# Altium PCB S7CAS-PLEIADES-CARTE-MERE_P07 - BACKUP.PcbDoc (part 1 of 3) (continued)
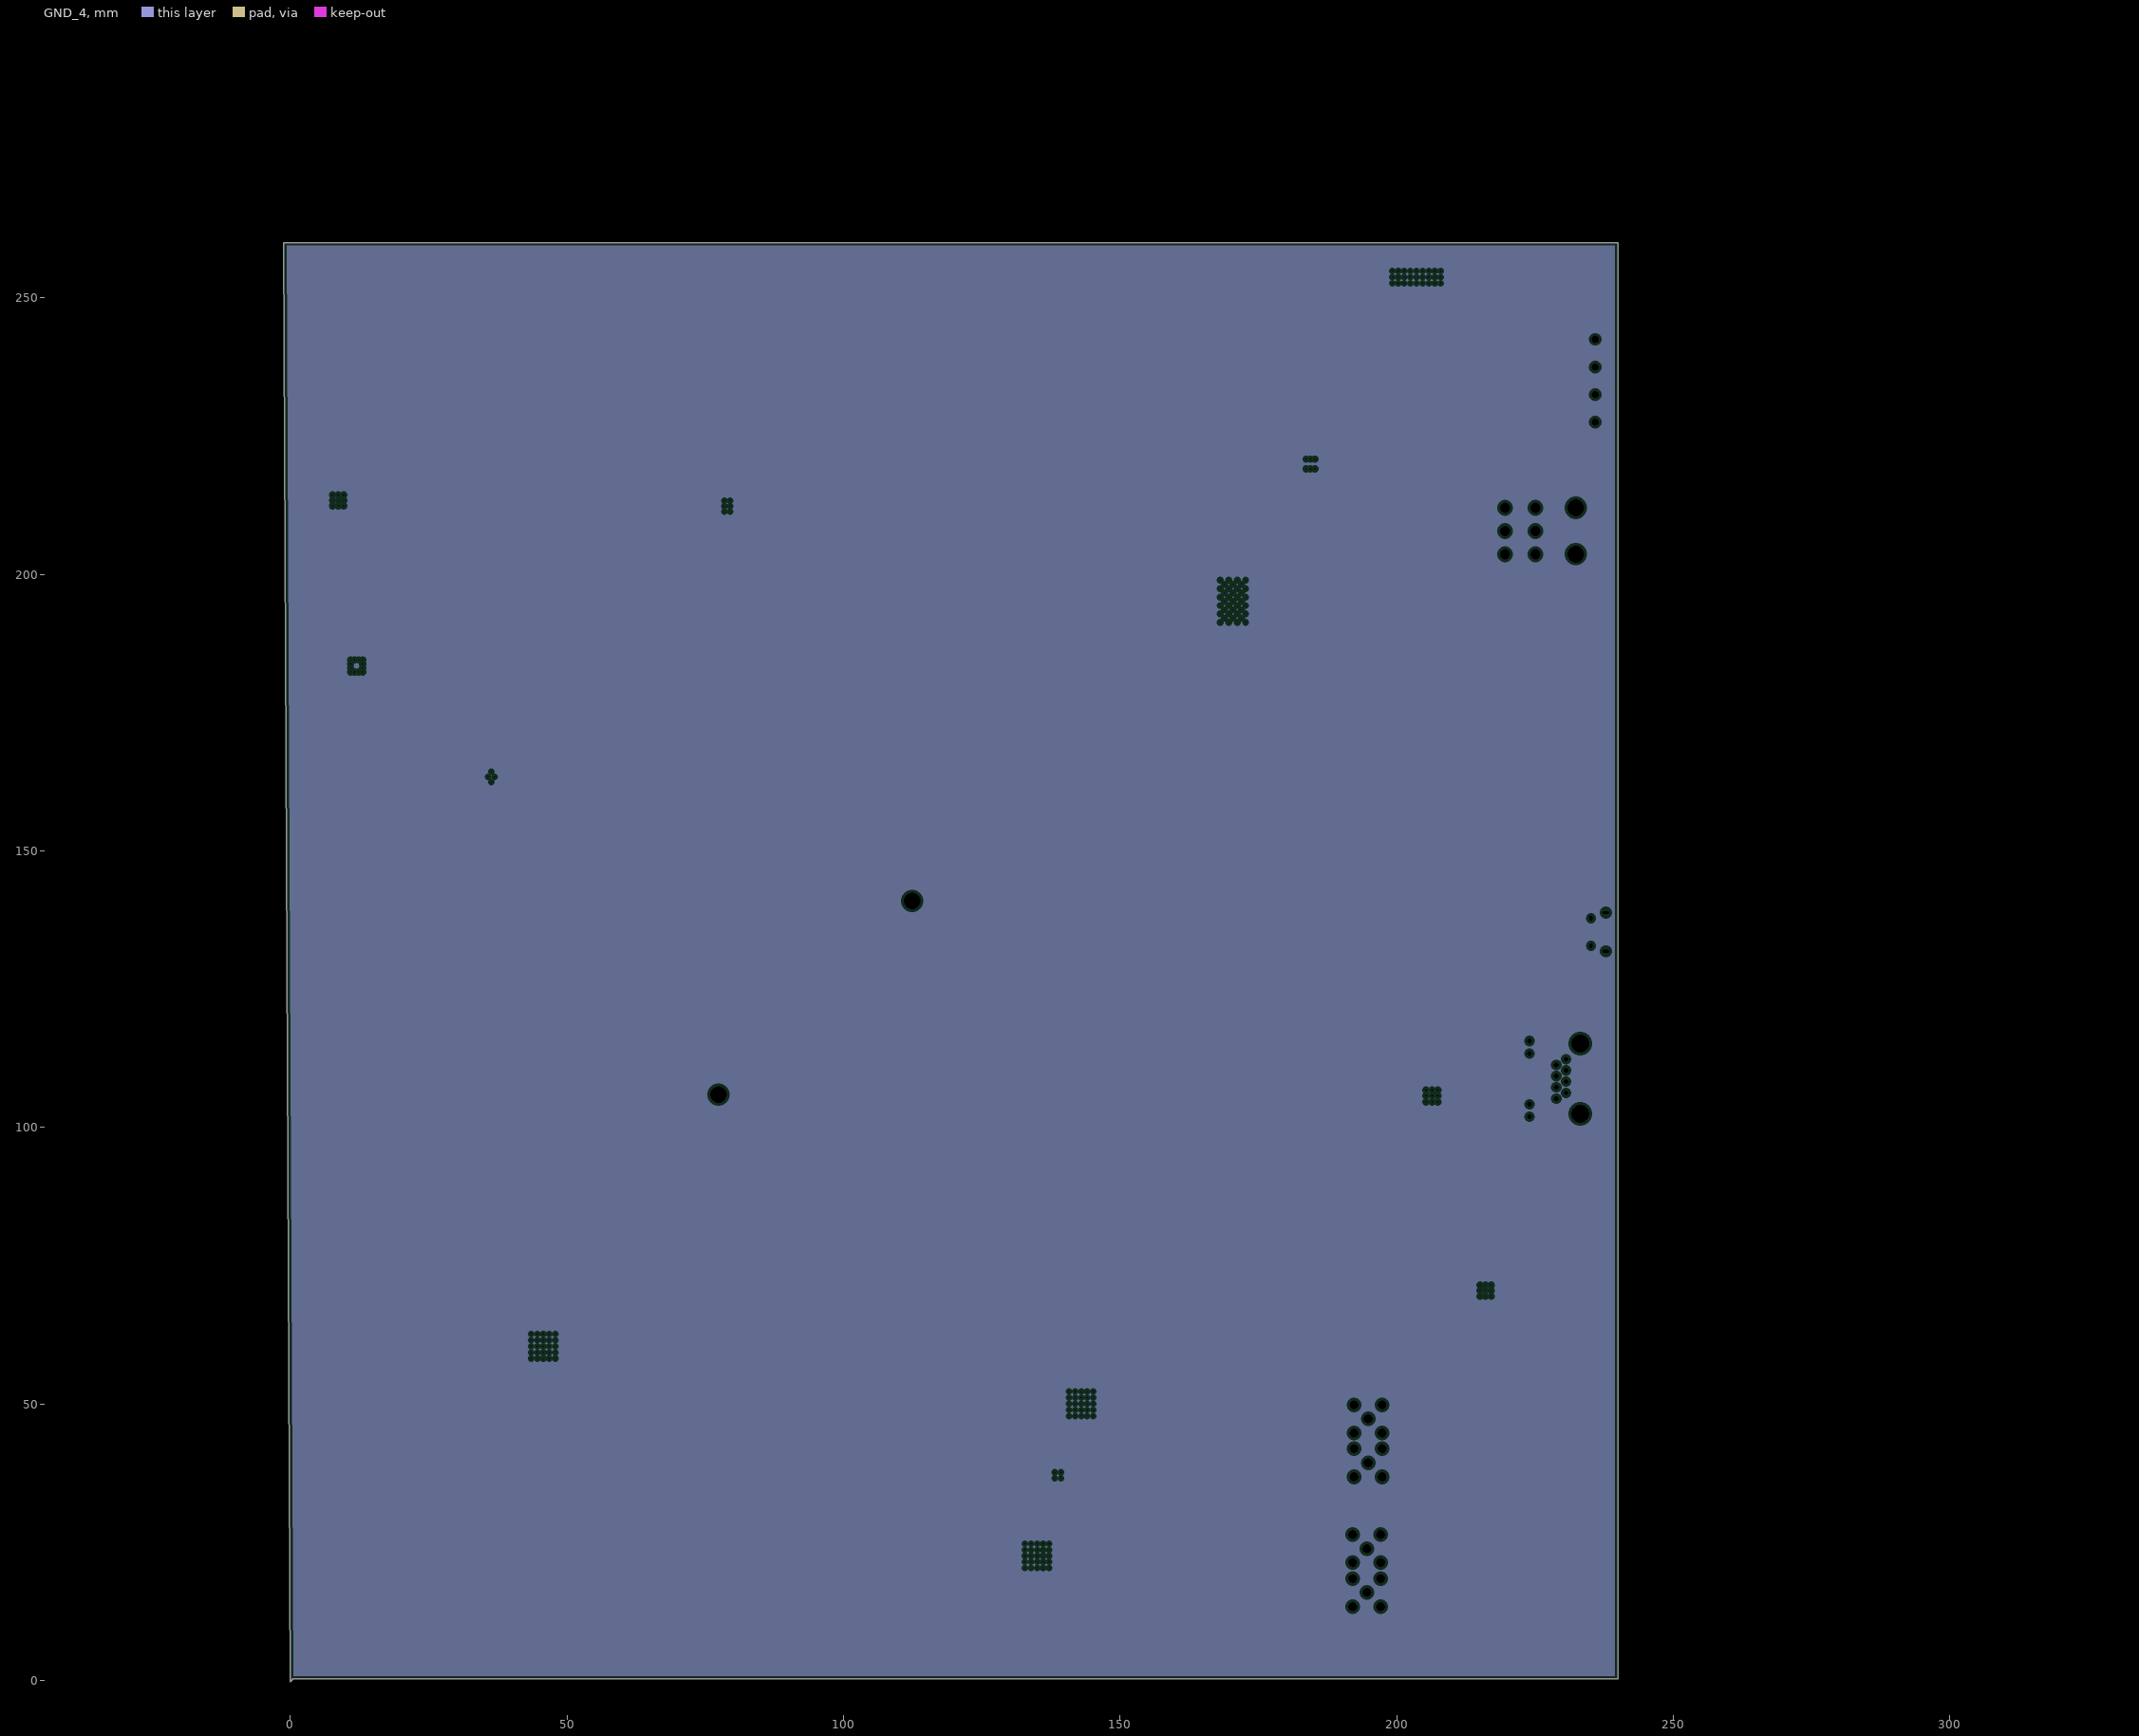
[diagram p8: GND_4, clearances drawn from the general rule]
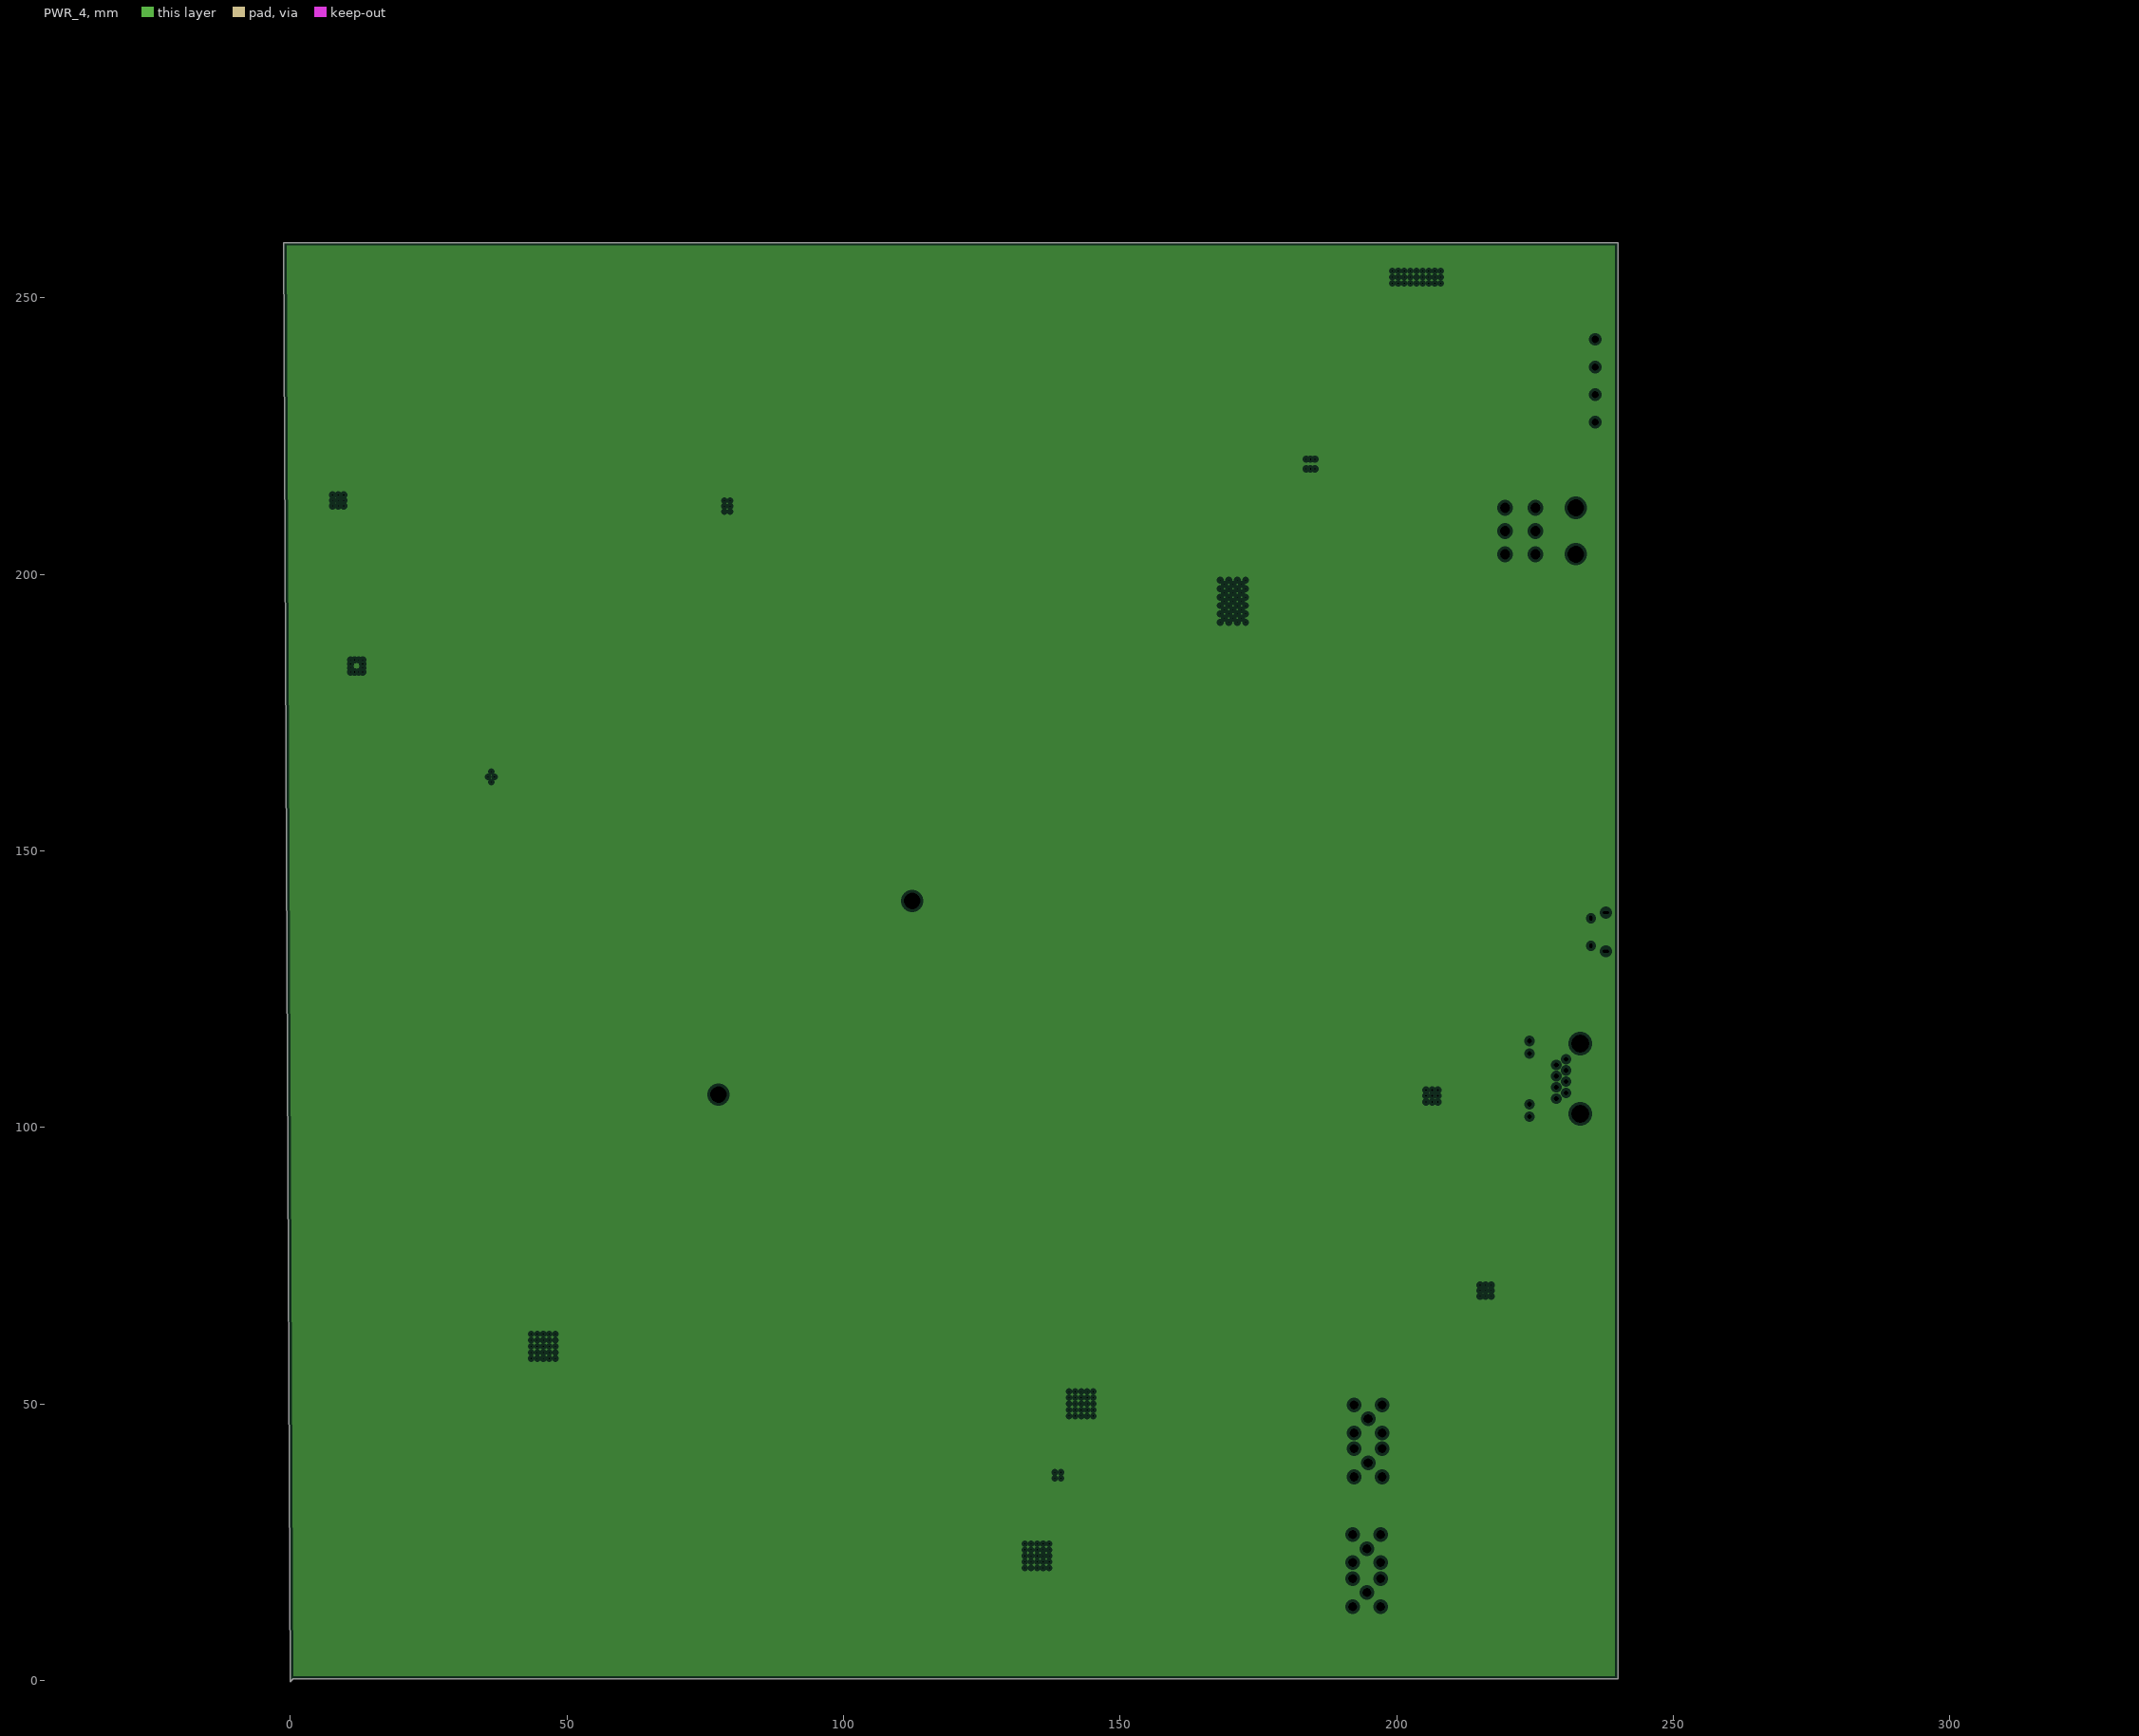
[diagram p9: PWR_4, clearances drawn from the general rule]
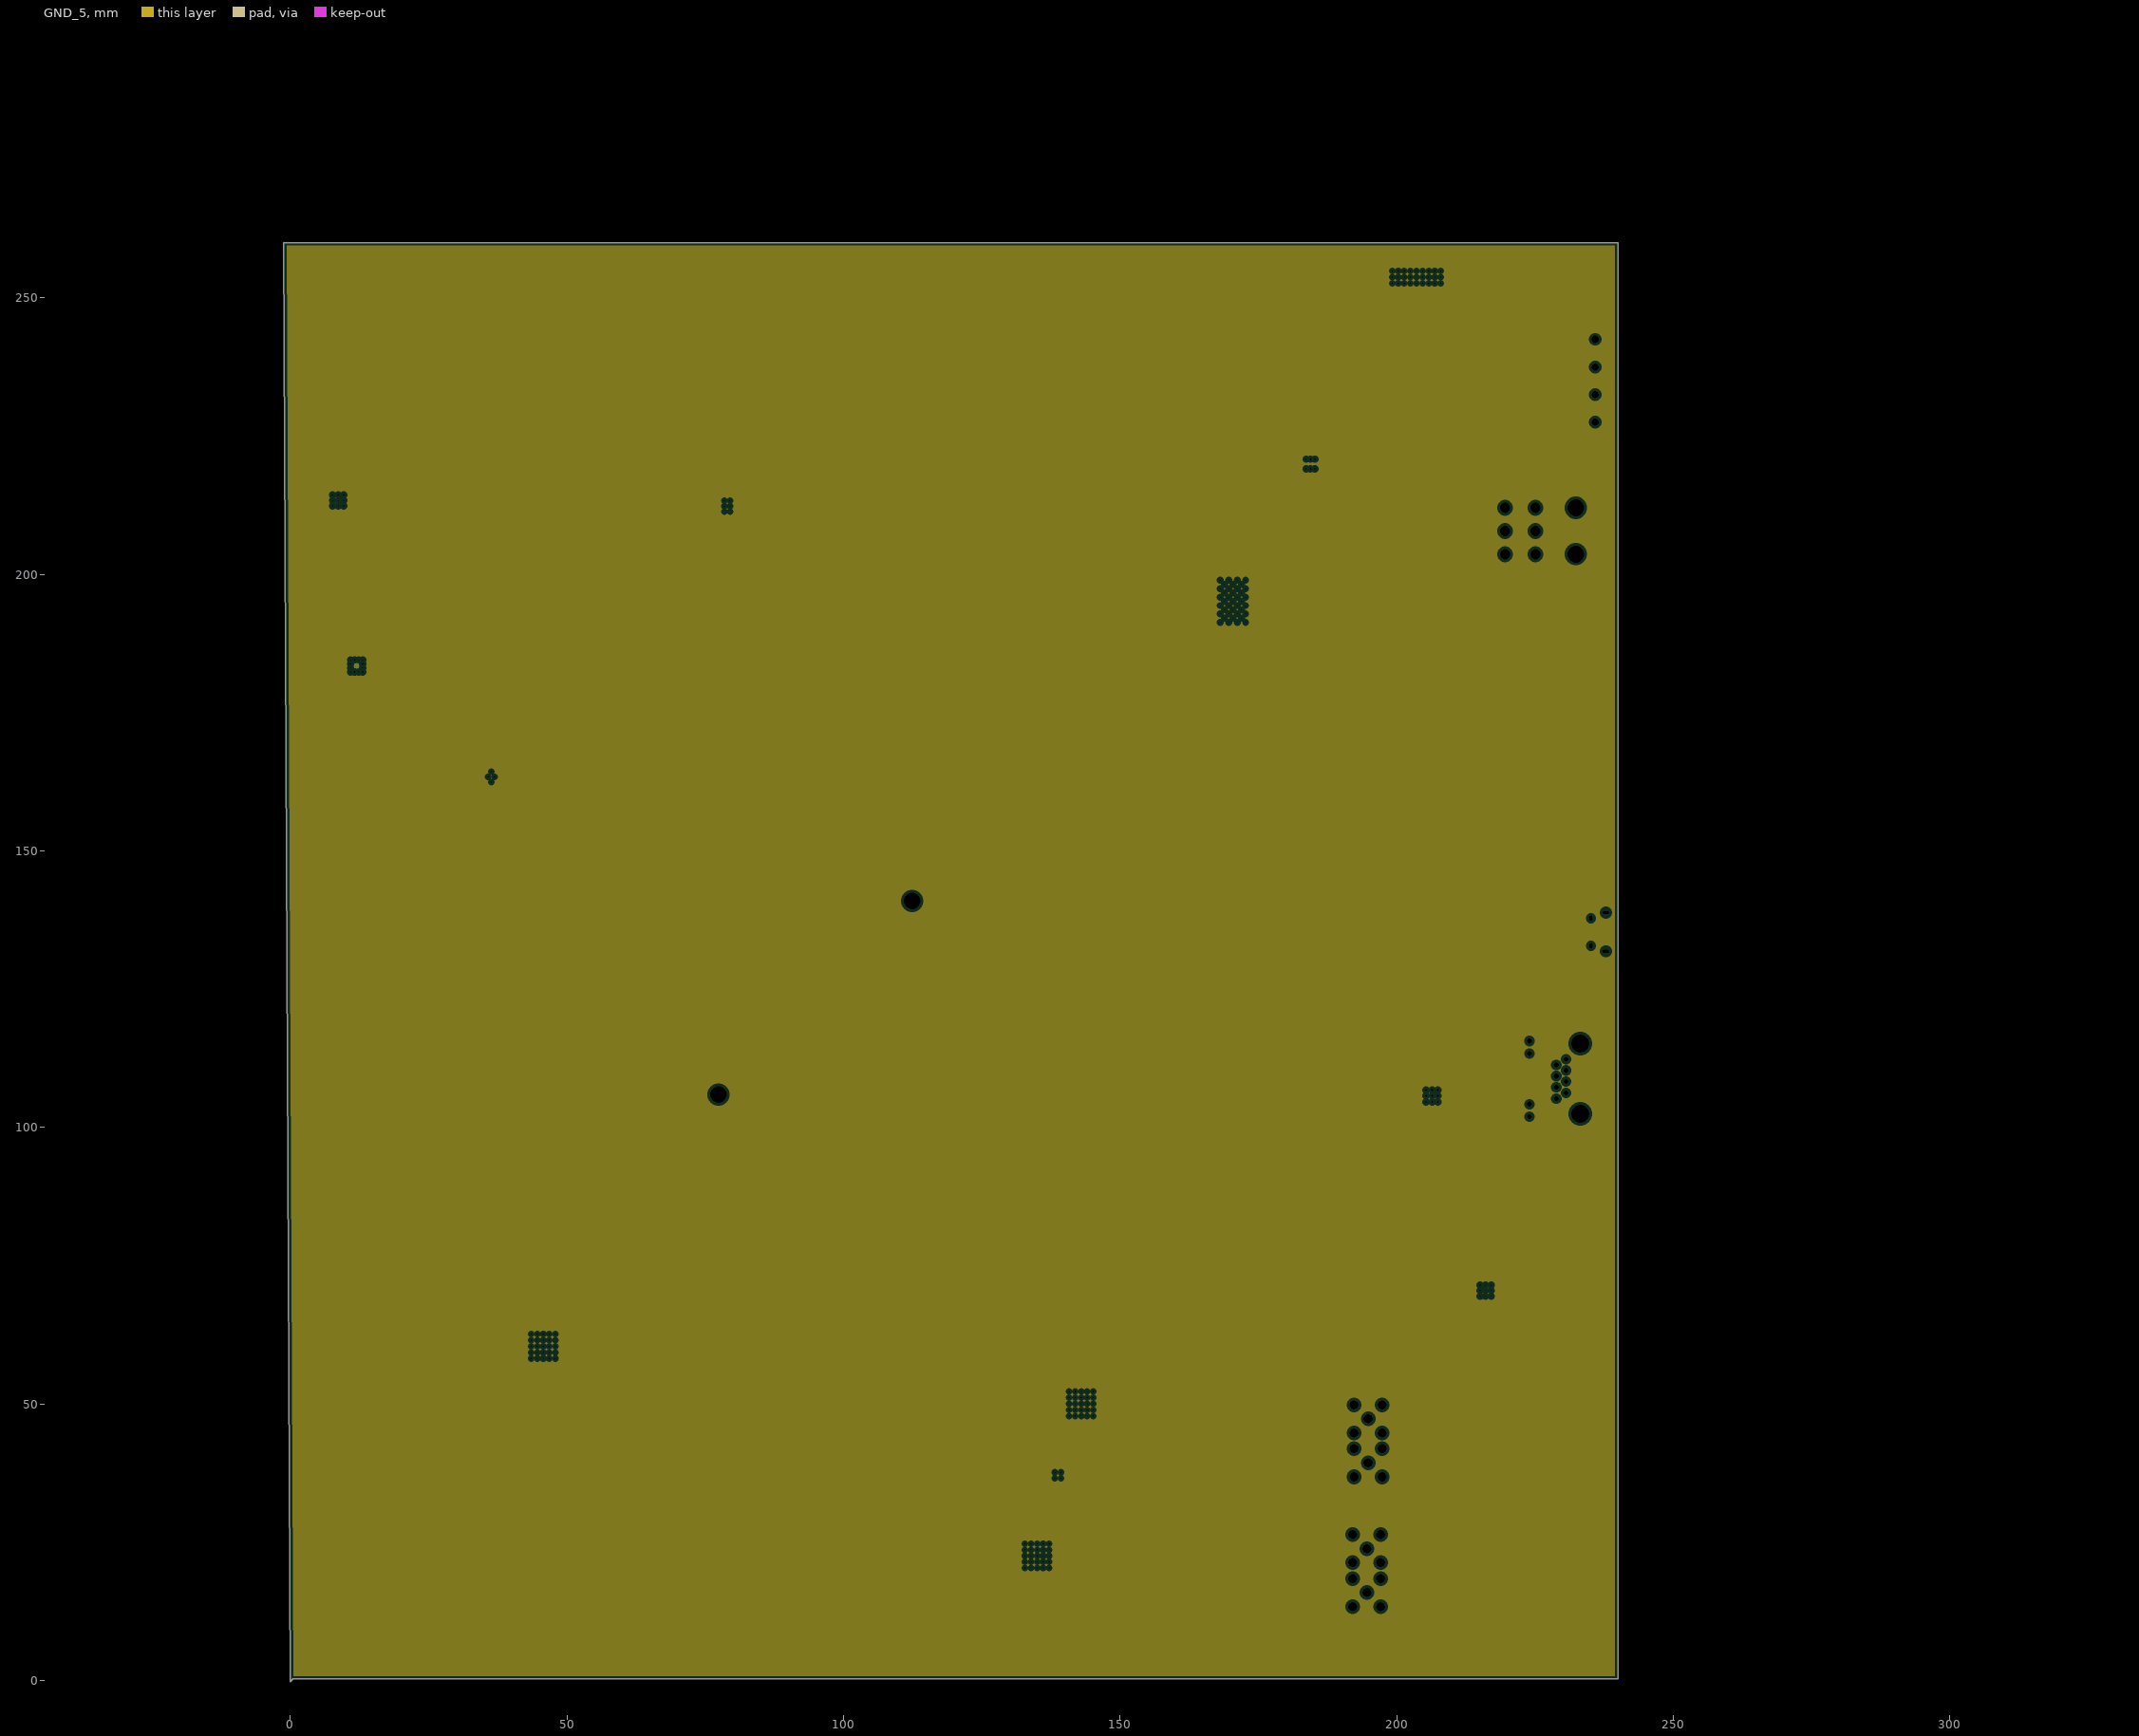
[diagram p10: GND_5, clearances drawn from the general rule]